# Altium PCB Board.PcbDoc (part 5 of 15) (continued)
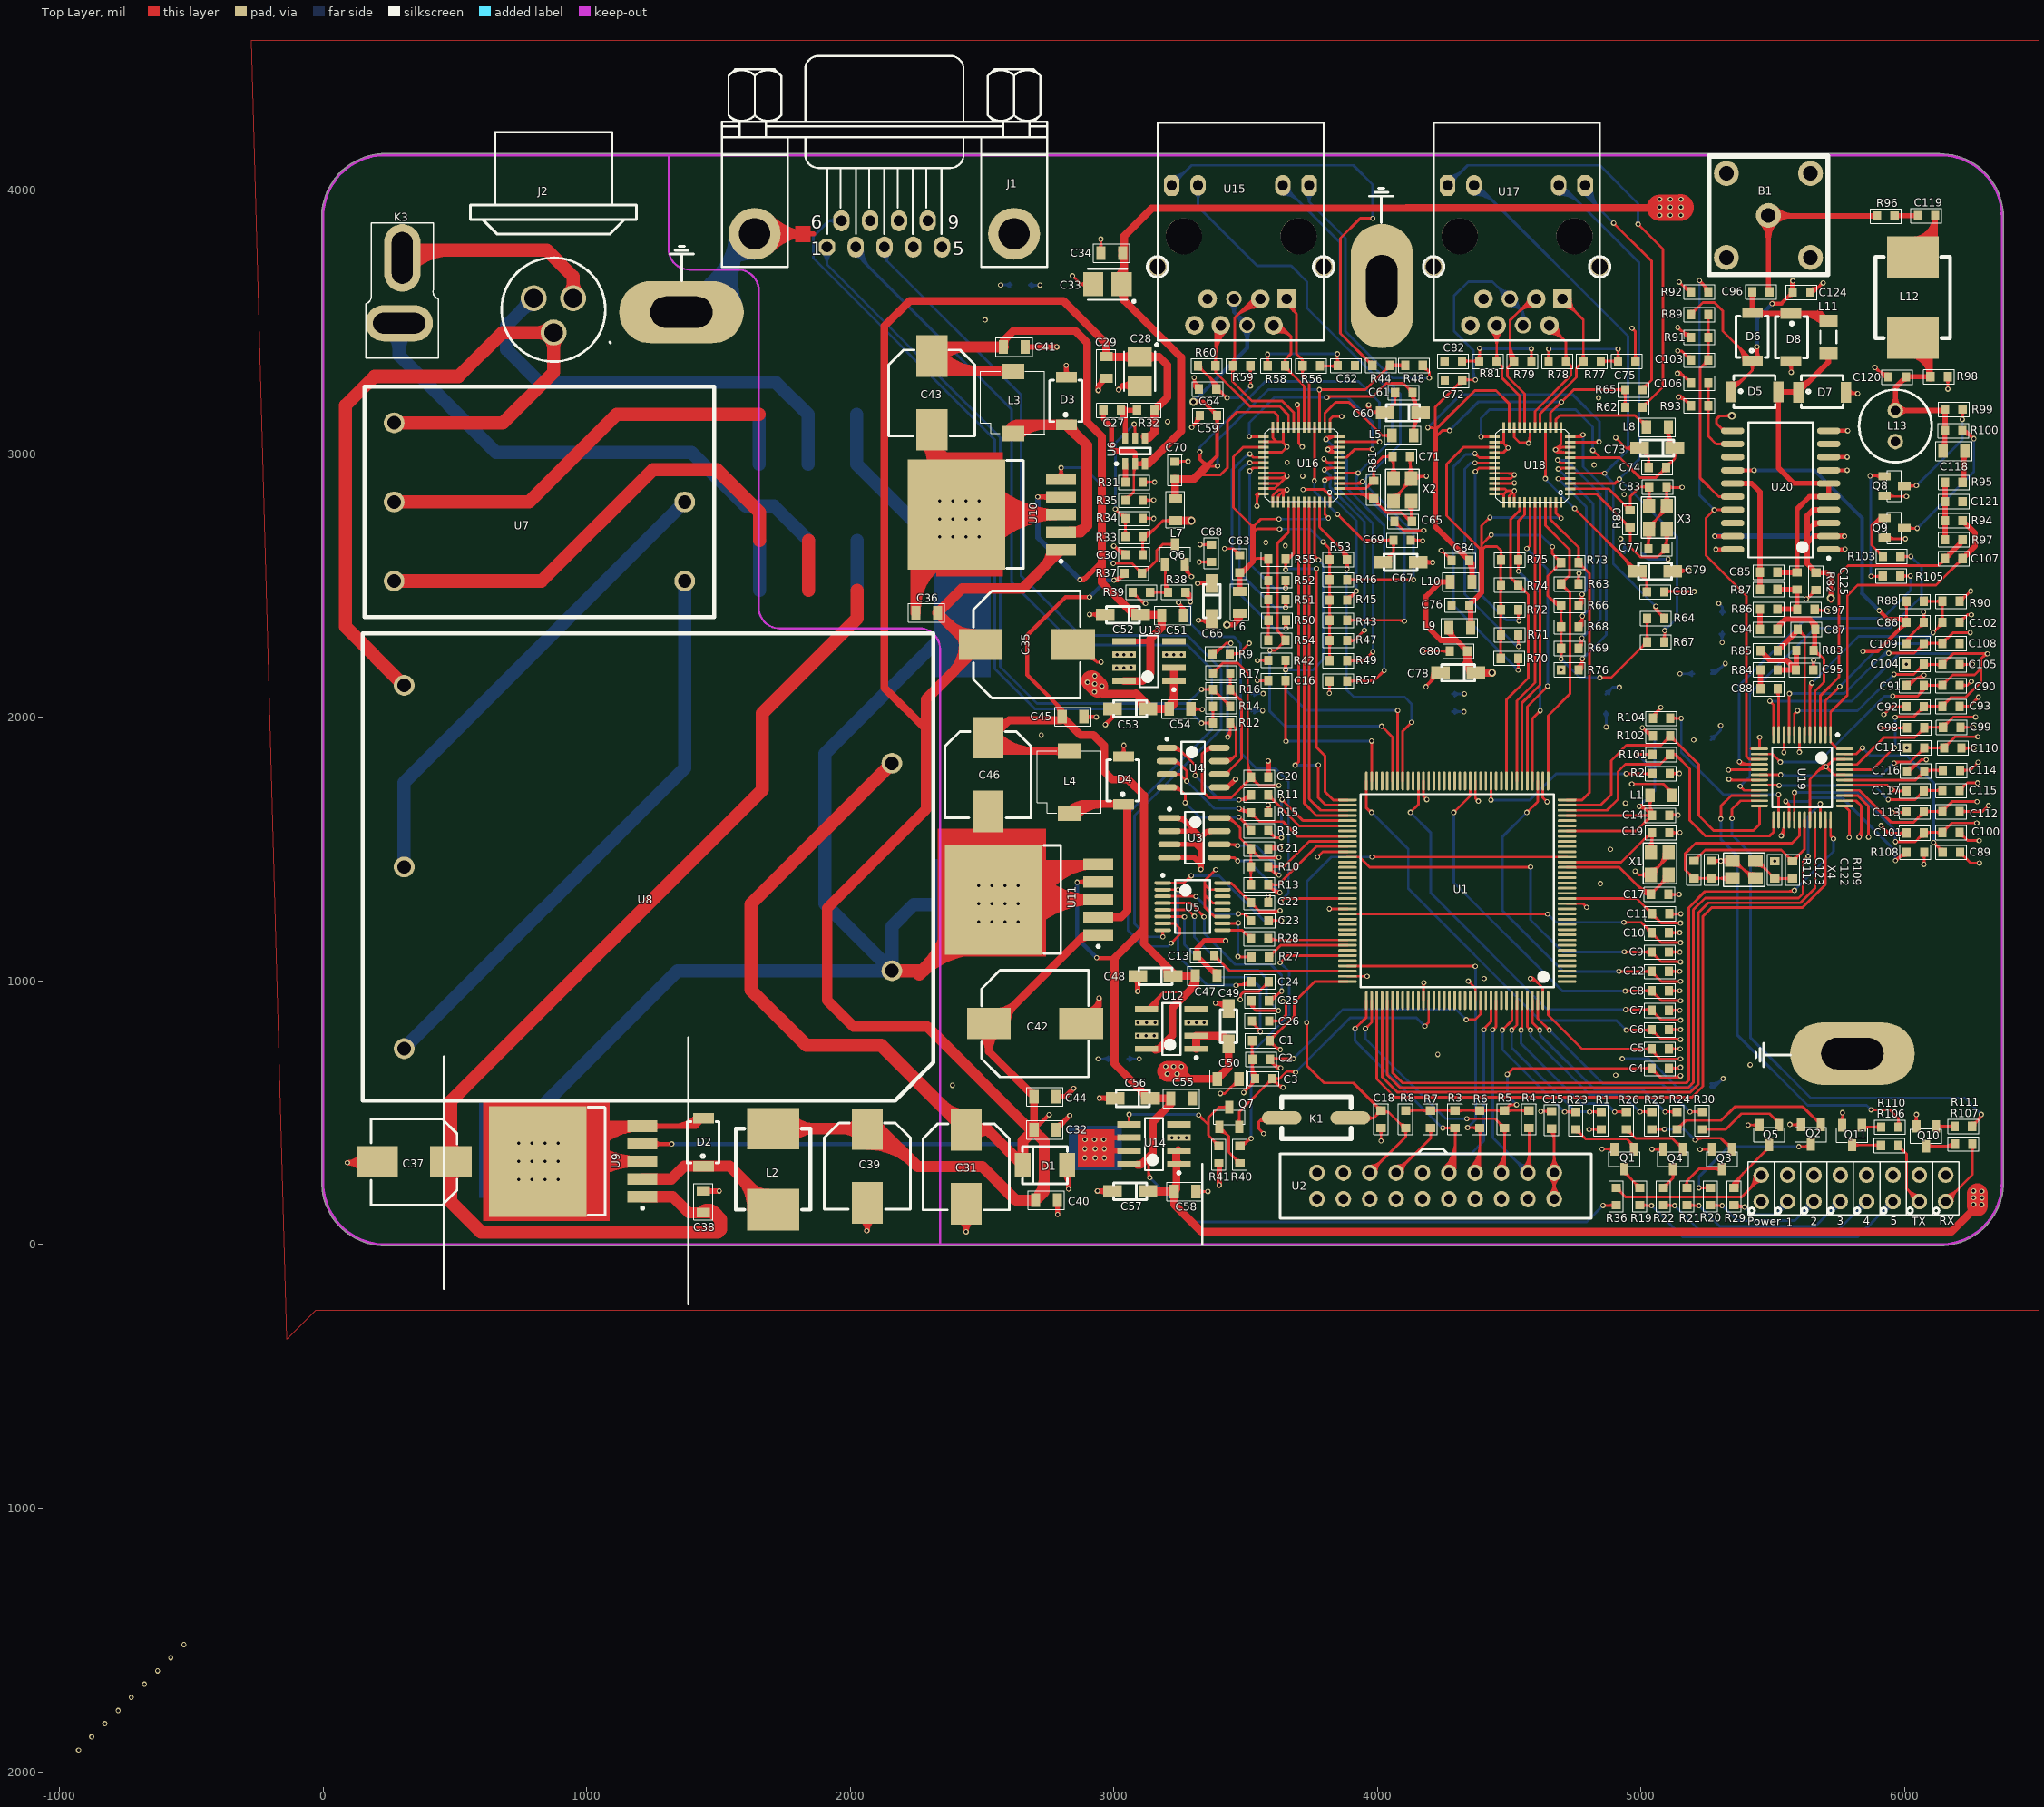
[diagram p0: Top Layer view]
## Nets (pads, with @x,y where several pads share a name; then routed paths per layer and width w, separated by ;. In a path a pad name is that pad's centre, name@x,y a point inside that pad or via, vN(x,y) a via of type N, cw(c..) or ccw(c..) an arc to the next point about the centre after c; other vN are vias at no path point) (continued)
; C9.1@5113.05,1117.47 ccw(c5131.4,1135.82) 5131.4,1109.87 ; C9.1@5113.05,1117.47 ccw(c5131.4,1135.82) 5131.4,1109.87 ; C9.1@5113.05,1117.47 ccw(c5131.4,1135.82) 5131.4,1109.87 ; C10.1@5113.05,1175.84 cw(c5131.4,1157.49) 5131.4,1183.44 ; C10.1@5113.05,1175.84 cw(c5131.4,1157.49) 5131.4,1183.44 ; C10.1@5113.05,1175.84 cw(c5131.4,1157.49) 5131.4,1183.44 ; C10.1@5113.05,1191.04 ccw(c5131.4,1209.39) 5131.4,1183.44 ; C10.1@5113.05,1191.04 ccw(c5131.4,1209.39) 5131.4,1183.44 ; C10.1@5113.05,1191.04 ccw(c5131.4,1209.39) 5131.4,1183.44 ; C11.1@5114.2,1245.88 cw(c5134.88,1225.19) 5134.88,1254.45 ; C11.1@5114.2,1245.88 cw(c5134.88,1225.19) 5134.88,1254.45 ; C11.1@5114.2,1245.88 cw(c5134.88,1225.19) 5134.88,1254.45 ; C11.1@5114.2,1261.08 ccw(c5130.21,1277.09) 5130.21,1254.45 ; C11.1@5114.2,1261.08 ccw(c5130.21,1277.09) 5130.21,1254.45 ; C11.1@5114.2,1261.08 ccw(c5130.21,1277.09) 5130.21,1254.45 ; C14.1@5114.2,1622.82 cw(c5130.21,1606.81) 5130.21,1629.45 ; C14.1@5114.2,1622.82 cw(c5130.21,1606.81) 5130.21,1629.45 ; C14.1@5114.2,1622.82 cw(c5130.21,1606.81) 5130.21,1629.45 ; C14.1@5114.2,1638.02 ccw(c5134.88,1658.7) v1@5134.88,1629.45 ; C14.1@5114.2,1638.02 ccw(c5134.88,1658.7) v1@5134.88,1629.45 ; C14.1@5114.2,1638.02 ccw(c5134.88,1658.7) v1@5134.88,1629.45 ; C19.1@5115.2,1554.85 cw(c5133.55,1536.5) 5133.55,1562.45 ; C19.1@5115.2,1554.85 cw(c5133.55,1536.5) 5133.55,1562.45 ; C19.1@5115.2,1554.85 cw(c5133.55,1536.5) 5133.55,1562.45 ; C19.1@5115.2,1570.05 ccw(c5133.55,1588.4) 5133.55,1562.45 ; C19.1@5115.2,1570.05 ccw(c5133.55,1588.4) 5133.55,1562.45 ; C19.1@5115.2,1570.05 ccw(c5133.55,1588.4) 5133.55,1562.45 ; R2.1@5116.2,1779.85 cw(c5134.55,1761.5) 5134.55,1787.45 ; R2.1@5116.2,1779.85 cw(c5134.55,1761.5) 5134.55,1787.45 ; R2.1@5116.2,1779.85 cw(c5134.55,1761.5) 5134.55,1787.45 ; R2.1@5116.2,1795.05 ccw(c5134.55,1813.4) 5134.55,1787.45 ; R2.1@5116.2,1795.05 ccw(c5134.55,1813.4) 5134.55,1787.45 ; R2.1@5116.2,1795.05 ccw(c5134.55,1813.4) 5134.55,1787.45 ; 5127.87,668.45 ccw(c5127.87,694.18) v1@5146.06,675.98 ; 5127.87,668.45 ccw(c5127.87,694.18) v1@5146.06,675.98 ; 5127.87,668.45 ccw(c5127.87,694.18) v1@5146.06,675.98 ; 5128.53,1629.45 cw(c5128.53,1617.38) v1@5137.06,1625.91 ; 5128.53,1629.45 ccw(c5128.53,1641.52) v1@5137.06,1632.98 ; 5128.53,1629.45 cw(c5128.53,1617.38) v1@5137.06,1625.91 ; 5128.53,1629.45 ccw(c5128.53,1641.52) v1@5137.06,1632.98 ; 5128.53,1629.45 ccw(c5128.53,1641.52) v1@5137.06,1632.98 ; 5128.53,1629.45 cw(c5128.53,1617.38) v1@5137.06,1625.91 ; 5132.53,1328.45 cw(c5132.53,1316.38) v1@5141.06,1324.91 ; 5132.53,1328.45 ccw(c5132.53,1340.52) v1@5141.06,1331.98 ; 5132.53,1328.45 cw(c5132.53,1316.38) v1@5141.06,1324.91 ; 5132.53,1328.45 ccw(c5132.53,1340.52) v1@5141.06,1331.98 ; 5132.53,1328.45 ccw(c5132.53,1340.52) v1@5141.06,1331.98 ; 5132.53,1328.45 cw(c5132.53,1316.38) v1@5141.06,1324.91 ; 5133.53,1787.45 cw(c5133.53,1775.38) v1@5142.06,1783.91 ; 5133.53,1787.45 ccw(c5133.53,1799.52) v1@5142.06,1790.98 ; 5133.53,1787.45 cw(c5133.53,1775.38) v1@5142.06,1783.91 ; 5133.53,1787.45 ccw(c5133.53,1799.52) v1@5142.06,1790.98 ; 5133.53,1787.45 ccw(c5133.53,1799.52) v1@5142.06,1790.98 ; 5133.53,1787.45 cw(c5133.53,1775.38) v1@5142.06,1783.91 ; 5133.81,889.16 cw(c5133.81,874.67) v1@5144.06,884.91 ; 5133.81,889.16 cw(c5133.81,874.67) v1@5144.06,884.91 ; 5133.81,889.16 cw(c5133.81,874.67) v1@5144.06,884.91 ; 5133.85,962.73 cw(c5133.85,949.7) v1@5143.06,958.91 ; 5133.85,962.73 cw(c5133.85,949.7) v1@5143.06,958.91 ; 5133.85,962.73 cw(c5133.85,949.7) v1@5143.06,958.91 ; 5134.16,1036.3 ccw(c5134.16,1048.88) v1@5143.06,1039.98 ; 5134.16,1036.3 ccw(c5134.16,1048.88) v1@5143.06,1039.98 ; 5134.16,1036.3 ccw(c5134.16,1048.88) v1@5143.06,1039.98 ; 5134.52,1109.87 cw(c5134.52,1096.37) v1@5144.06,1105.91 ; 5134.52,1109.87 cw(c5134.52,1096.37) v1@5144.06,1105.91 ; 5134.52,1109.87 cw(c5134.52,1096.37) v1@5144.06,1105.91 ; 5134.5,1183.44 ccw(c5134.5,1195.55) v1@5143.06,1186.98 ; 5134.5,1183.44 ccw(c5134.5,1195.55) v1@5143.06,1186.98 ; 5134.5,1183.44 ccw(c5134.5,1195.55) v1@5143.06,1186.98 ; 5134.55,1183.44 cw(c5134.55,1171.41) v1@5143.06,1179.91 ; 5134.55,1183.44 cw(c5134.55,1171.41) v1@5143.06,1179.91 ; 5134.55,1183.44 cw(c5134.55,1171.41) v1@5143.06,1179.91 ; 5134.89,1036.3 cw(c5134.89,1024.74) v1@5143.06,1032.91 ; 5134.89,1036.3 cw(c5134.89,1024.74) v1@5143.06,1032.91 ; 5134.89,1036.3 cw(c5134.89,1024.74) v1@5143.06,1032.91 ; 5135.2,962.73 ccw(c5135.2,973.85) v1@5143.06,965.98 ; 5135.2,962.73 ccw(c5135.2,973.85) v1@5143.06,965.98 ; 5135.2,962.73 ccw(c5135.2,973.85) v1@5143.06,965.98 ; 5135.49,742.02 ccw(c5135.49,755.56) v1@5145.06,745.98 ; 5135.49,742.02 ccw(c5135.49,755.56) v1@5145.06,745.98 ; 5135.49,742.02 ccw(c5135.49,755.56) v1@5145.06,745.98 ; 5135.53,1562.45 cw(c5135.53,1550.38) v1@5144.06,1558.91 ; 5135.53,1562.45 ccw(c5135.53,1574.52) v1@5144.06,1565.98 ; 5135.53,1562.45 cw(c5135.53,1550.38) v1@5144.06,1558.91 ; 5135.53,1562.45 ccw(c5135.53,1574.52) v1@5144.06,1565.98 ; 5135.53,1562.45 ccw(c5135.53,1574.52) v1@5144.06,1565.98 ; 5135.53,1562.45 cw(c5135.53,1550.38) v1@5144.06,1558.91 ; 5136.54,1109.87 ccw(c5136.54,1120.51) v1@5144.06,1112.98 ; 5136.54,1109.87 ccw(c5136.54,1120.51) v1@5144.06,1112.98 ; 5136.54,1109.87 ccw(c5136.54,1120.51) v1@5144.06,1112.98 ; 5137.19,815.59 cw(c5137.19,803.04) v1@5146.06,811.91 ; 5137.19,815.59 cw(c5137.19,803.04) v1@5146.06,811.91 ; 5137.19,815.59 cw(c5137.19,803.04) v1@5146.06,811.91 ; 5137.24,889.16 ccw(c5137.24,898.81) v1@5144.06,891.98 ; 5137.24,889.16 ccw(c5137.24,898.81) v1@5144.06,891.98 ; 5137.24,889.16 ccw(c5137.24,898.81) v1@5144.06,891.98 ; 5137.57,742.02 cw(c5137.57,731.42) v1@5145.06,738.91 ; 5137.57,742.02 cw(c5137.57,731.42) v1@5145.06,738.91 ; 5137.57,742.02 cw(c5137.57,731.42) v1@5145.06,738.91 ; v1@5137.6,3300.45 cw(c5137.6,3253.25) 5170.97,3286.63 ; v1@5137.6,3300.45 cw(c5137.6,3253.25) 5170.97,3286.63 ; v1@5137.6,3300.45 cw(c5137.6,3253.25) 5170.97,3286.63 ; v1@5137.6,3310.45 cw(c5137.6,3287.39) 5153.9,3303.7 ; v1@5137.6,3310.45 cw(c5137.6,3287.39) 5153.9,3303.7 ; v1@5137.6,3310.45 cw(c5137.6,3287.39) 5153.9,3303.7 ; C79.1@5137.78,2548.73 cw(c5159.38,2529.6) 5159.38,2558.45 ; C79.1@5137.78,2548.73 cw(c5159.38,2529.6) 5159.38,2558.45 ; C79.1@5137.78,2548.73 cw(c5159.38,2529.6) 5159.38,2558.45 ; 5137.86,815.59 ccw(c5137.86,827.18) v1@5146.06,818.98 ; 5137.86,815.59 ccw(c5137.86,827.18) v1@5146.06,818.98 ; 5137.86,815.59 ccw(c5137.86,827.18) v1@5146.06,818.98 ; 5138.53,1254.45 cw(c5138.53,1242.38) v1@5147.06,1250.91 ; 5138.53,1254.45 ccw(c5138.53,1266.52) v1@5147.06,1257.98 ; 5138.53,1254.45 cw(c5138.53,1242.38) v1@5147.06,1250.91 ; 5138.53,1254.45 ccw(c5138.53,1266.52) v1@5147.06,1257.98 ; 5138.53,1254.45 ccw(c5138.53,1266.52) v1@5147.06,1257.98 ; 5138.53,1254.45 cw(c5138.53,1242.38) v1@5147.06,1250.91 ; v1@5138.6,3474.45 cw(c5138.6,3462.38) 5147.13,3470.91 ; v1@5138.6,3474.45 cw(c5138.6,3462.38) 5147.13,3470.91 ; v1@5138.6,3474.45 cw(c5138.6,3462.38) 5147.13,3470.91 ; v1@5141.13,3301.91 cw(c5149.67,3293.38) 5149.67,3305.45 ; v1@5141.13,3301.91 cw(c5149.67,3293.38) 5149.67,3305.45 ; v1@5141.13,3301.91 cw(c5149.67,3293.38) 5149.67,3305.45 ; v1@5141.13,3308.98 ccw(c5149.67,3317.52) 5149.67,3305.45 ; v1@5141.13,3308.98 ccw(c5149.67,3317.52) 5149.67,3305.45 ; v1@5141.13,3308.98 ccw(c5149.67,3317.52) 5149.67,3305.45 ; v1@5141.6,3210.45 cw(c5141.6,3164.22) R93.1@5174.29,3196.91 ; v1@5141.6,3210.45 cw(c5141.6,3164.22) R93.1@5174.29,3196.91 ; v1@5141.6,3210.45 cw(c5141.6,3164.22) R93.1@5174.29,3196.91 ; v1@5141.6,3220.45 cw(c5141.6,3198.36) 5157.22,3213.98 ; v1@5141.6,3220.45 cw(c5141.6,3198.36) 5157.22,3213.98 ; v1@5141.6,3220.45 cw(c5141.6,3198.36) 5157.22,3213.98 ; v1@5142.13,3386.91 cw(c5150.67,3378.38) 5150.67,3390.45 ; v1@5142.13,3386.91 cw(c5150.67,3378.38) 5150.67,3390.45 ; v1@5142.13,3386.91 cw(c5150.67,3378.38) 5150.67,3390.45 ; v1@5142.13,3393.98 ccw(c5150.67,3402.52) 5150.67,3390.45 ; v1@5142.13,3393.98 ccw(c5150.67,3402.52) 5150.67,3390.45 ; v1@5142.13,3393.98 ccw(c5150.67,3402.52) 5150.67,3390.45 ; 5143.53,2872.45 cw(c5143.53,2860.38) v1@5152.06,2868.91 ; 5143.53,2872.45 ccw(c5143.53,2884.52) v1@5152.06,2875.98 ; 5143.53,2872.45 cw(c5143.53,2860.38) v1@5152.06,2868.91 ; 5143.53,2872.45 ccw(c5143.53,2884.52) v1@5152.06,2875.98 ; 5143.53,2872.45 ccw(c5143.53,2884.52) v1@5152.06,2875.98 ; 5143.53,2872.45 cw(c5143.53,2860.38) v1@5152.06,2868.91 ; v1@5143.6,3479.45 ccw(c5155.67,3479.45) 5147.13,3470.91 ; v1@5143.6,3479.45 ccw(c5155.67,3479.45) 5147.13,3470.91 ; v1@5143.6,3479.45 ccw(c5155.67,3479.45) 5147.13,3470.91 ; C79.1@5144.5,2567.62 ccw(c5166.63,2589.75) 5166.63,2558.45 ; C79.1@5144.5,2567.62 ccw(c5166.63,2589.75) 5166.63,2558.45 ; C79.1@5144.5,2567.62 ccw(c5166.63,2589.75) 5166.63,2558.45 ; v1@5144.6,3646.45 cw(c5144.6,3634.38) 5153.13,3642.91 ; v1@5144.6,3646.45 cw(c5144.6,3634.38) 5153.13,3642.91 ; v1@5144.6,3646.45 cw(c5144.6,3634.38) 5153.13,3642.91 ; v1@5145.13,3211.91 cw(c5153.67,3203.38) 5153.67,3215.45 ; v1@5145.13,3211.91 cw(c5153.67,3203.38) 5153.67,3215.45 ; v1@5145.13,3211.91 cw(c5153.67,3203.38) 5153.67,3215.45 ; v1@5145.13,3218.98 ccw(c5153.67,3227.52) 5153.67,3215.45 ; v1@5145.13,3218.98 ccw(c5153.67,3227.52) 5153.67,3215.45 ; v1@5145.13,3218.98 ccw(c5153.67,3227.52) 5153.67,3215.45 ; C79.1@5145.27,2542.1 cw(c5181.6,2509.92) v1(5181.6,2558.45) ; C79.1@5145.27,2542.1 cw(c5181.6,2509.92) v1(5181.6,2558.45) ; C79.1@5145.27,2542.1 cw(c5181.6,2509.92) v1(5181.6,2558.45) ; 5145.96,3472.09 ccw(c5188.75,3514.88) R91.1@5188.75,3454.37 ; 5145.96,3472.09 ccw(c5188.75,3514.88) R91.1@5188.75,3454.37 ; 5145.96,3472.09 ccw(c5188.75,3514.88) R91.1@5188.75,3454.37 ; v1@5149.6,3651.45 ccw(c5161.67,3651.45) 5153.13,3642.91 ; v1@5149.6,3651.45 ccw(c5161.67,3651.45) 5153.13,3642.91 ; v1@5149.6,3651.45 ccw(c5161.67,3651.45) 5153.13,3642.91 ; 5154.83,3641.21 ccw(c5188.75,3675.13) R92.1@5188.75,3627.17 ; 5154.83,3641.21 ccw(c5188.75,3675.13) R92.1@5188.75,3627.17 ; 5154.83,3641.21 ccw(c5188.75,3675.13) R92.1@5188.75,3627.17 ; 5163.03,3455.02 ccw(c5188.75,3480.74) R91.1@5188.75,3444.37 ; 5163.03,3455.02 ccw(c5188.75,3480.74) R91.1@5188.75,3444.37 ; 5163.03,3455.02 ccw(c5188.75,3480.74) R91.1@5188.75,3444.37 ; 5166.89,3377.52 ccw(c5188.6,3399.22) C103.2@5188.6,3368.52 ; 5166.89,3377.52 ccw(c5188.6,3399.22) C103.2@5188.6,3368.52 ; 5166.89,3377.52 ccw(c5188.6,3399.22) C103.2@5188.6,3368.52 ; 5167.04,3204.16 ccw(c5188.75,3225.87) R93.1@5188.75,3195.17 ; 5167.04,3204.16 ccw(c5188.75,3225.87) R93.1@5188.75,3195.17 ; 5167.04,3204.16 ccw(c5188.75,3225.87) R93.1@5188.75,3195.17 ; 5167.04,3290.56 ccw(c5188.75,3312.27) C106.1@5188.75,3281.57 ; 5167.04,3290.56 ccw(c5188.75,3312.27) C106.1@5188.75,3281.57 ; 5167.04,3290.56 ccw(c5188.75,3312.27) C106.1@5188.75,3281.57 ; 5169.53,2558.45 cw(c5169.53,2546.38) v1@5178.06,2554.91 ; 5169.53,2558.45 ccw(c5169.53,2570.52) v1@5178.06,2561.98 ; 5169.53,2558.45 cw(c5169.53,2546.38) v1@5178.06,2554.91 ; 5169.53,2558.45 ccw(c5169.53,2570.52) v1@5178.06,2561.98 ; 5169.53,2558.45 ccw(c5169.53,2570.52) v1@5178.06,2561.98 ; 5169.53,2558.45 cw(c5169.53,2546.38) v1@5178.06,2554.91 ; 5171.64,3372.76 cw(c5156.65,3357.78) C103.2@5177.85,3357.78 ; 5171.64,3372.76 cw(c5156.65,3357.78) C103.2@5177.85,3357.78 ; 5171.64,3372.76 cw(c5156.65,3357.78) C103.2@5177.85,3357.78 ; 5171.79,3199.4 cw(c5156.8,3184.42) R93.1@5178,3184.42 ; 5171.79,3199.4 cw(c5156.8,3184.42) R93.1@5178,3184.42 ; 5171.79,3199.4 cw(c5156.8,3184.42) R93.1@5178,3184.42 ; 5171.79,3285.8 cw(c5156.8,3270.82) C106.1@5178,3270.82 ; 5171.79,3285.8 cw(c5156.8,3270.82) C106.1@5178,3270.82 ; 5171.79,3285.8 cw(c5156.8,3270.82) C106.1@5178,3270.82 ; 5171.91,3624.14 ccw(c5188.75,3640.98) R92.1@5188.75,3617.17 ; 5171.91,3624.14 ccw(c5188.75,3640.98) R92.1@5188.75,3617.17 ; 5171.91,3624.14 ccw(c5188.75,3640.98) R92.1@5188.75,3617.17 ; 5189.53,2477.45 cw(c5189.53,2465.38) v1@5198.06,2473.91 ; 5189.53,2477.45 ccw(c5189.53,2489.52) v1@5198.06,2480.98 ; 5189.53,2477.45 cw(c5189.53,2465.38) v1@5198.06,2473.91 ; 5189.53,2477.45 ccw(c5189.53,2489.52) v1@5198.06,2480.98 ; 5189.53,2477.45 ccw(c5189.53,2489.52) v1@5198.06,2480.98 ; 5189.53,2477.45 cw(c5189.53,2465.38) v1@5198.06,2473.91 ; v1@5227.13,356.91 cw(c5235.67,348.38) 5235.67,360.45 ; v1@5227.13,356.91 cw(c5235.67,348.38) 5235.67,360.45 ; v1@5227.13,356.91 cw(c5235.67,348.38) 5235.67,360.45 ; v1@5227.13,363.98 ccw(c5235.67,372.52) 5235.67,360.45 ; v1@5227.13,363.98 ccw(c5235.67,372.52) 5235.67,360.45 ; v1@5227.13,363.98 ccw(c5235.67,372.52) 5235.67,360.45 ; 5241.43,360.45 ccw(c5241.43,389.81) Q3.1@5262.2,369.05 ; 5241.43,360.45 ccw(c5241.43,389.81) Q3.1@5262.2,369.05 ; 5241.43,360.45 ccw(c5241.43,389.81) Q3.1@5262.2,369.05 ; 5246.26,360.45 cw(c5246.26,337.91) Q3.1@5262.2,353.85 ; 5246.26,360.45 cw(c5246.26,337.91) Q3.1@5262.2,353.85 ; 5246.26,360.45 cw(c5246.26,337.91) Q3.1@5262.2,353.85 ; C123.2@5278.17,1447.85 cw(c5296.51,1429.5) v1@5296.51,1455.45 ; C123.2@5278.17,1447.85 cw(c5296.51,1429.5) v1@5296.51,1455.45 ; C123.2@5278.17,1447.85 cw(c5296.51,1429.5) v1@5296.51,1455.45 ; C123.2@5278.17,1463.05 ccw(c5296.51,1481.4) v1@5296.51,1455.45 ; C123.2@5278.17,1463.05 ccw(c5296.51,1481.4) v1@5296.51,1455.45 ; C123.2@5278.17,1463.05 ccw(c5296.51,1481.4) v1@5296.51,1455.45 ; 5290.53,1455.45 cw(c5290.53,1443.38) v1@5299.06,1451.91 ; 5290.53,1455.45 ccw(c5290.53,1467.52) v1@5299.06,1458.98 ; 5290.53,1455.45 cw(c5290.53,1443.38) v1@5299.06,1451.91 ; 5290.53,1455.45 ccw(c5290.53,1467.52) v1@5299.06,1458.98 ; 5290.53,1455.45 ccw(c5290.53,1467.52) v1@5299.06,1458.98 ; 5290.53,1455.45 cw(c5290.53,1443.38) v1@5299.06,1451.91 ; 5301.02,3100.03 ccw(c5314.94,3113.95) U20.1@5314.94,3094.26 ; 5301.02,3100.03 ccw(c5314.94,3113.95) U20.1@5314.94,3094.26 ; 5301.02,3100.03 ccw(c5314.94,3113.95) U20.1@5314.94,3094.26 ; v1(5302.6,1455.45) cw(c5302.6,1419.87) X4.4@5328.9,1443.83 ; v1(5302.6,1455.45) ccw(c5302.6,1487.65) X4.4@5327.98,1467.84 ; v1(5302.6,1455.45) cw(c5302.6,1419.87) X4.4@5328.9,1443.83 ; v1(5302.6,1455.45) ccw(c5302.6,1487.65) X4.4@5327.98,1467.84 ; v1(5302.6,1455.45) ccw(c5302.6,1487.65) X4.4@5327.98,1467.84 ; v1(5302.6,1455.45) cw(c5302.6,1419.87) X4.4@5328.9,1443.83 ; 5304.27,3096.78 cw(c5294.94,3087.45) U20.1@5308.13,3087.45 ; 5304.27,3096.78 cw(c5294.94,3087.45) U20.1@5308.13,3087.45 ; 5304.27,3096.78 cw(c5294.94,3087.45) U20.1@5308.13,3087.45 ; v1@5306.13,1451.91 cw(c5314.67,1443.38) 5314.67,1455.45 ; v1@5306.13,1451.91 cw(c5314.67,1443.38) 5314.67,1455.45 ; v1@5306.13,1451.91 cw(c5314.67,1443.38) 5314.67,1455.45 ; v1@5306.13,1458.98 ccw(c5314.67,1467.52) 5314.67,1455.45 ; v1@5306.13,1458.98 ccw(c5314.67,1467.52) 5314.67,1455.45 ; v1@5306.13,1458.98 ccw(c5314.67,1467.52) 5314.67,1455.45 ; 5320.46,3144.45 cw(c5320.46,3120.31) v2@5337.53,3137.38 ; 5320.46,3144.45 ccw(c5320.46,3168.59) v2@5337.53,3151.52 ; 5320.46,3144.45 cw(c5320.46,3120.31) v2@5337.53,3137.38 ; 5320.46,3144.45 ccw(c5320.46,3168.59) v2@5337.53,3151.52 ; 5320.46,3144.45 ccw(c5320.46,3168.59) v2@5337.53,3151.52 ; 5320.46,3144.45 cw(c5320.46,3120.31) v2@5337.53,3137.38 ; v1@5335.13,1796.91 cw(c5347.36,1784.69) 5347.36,1801.98 ; v1@5335.13,1796.91 cw(c5347.36,1784.69) 5347.36,1801.98 ; v1@5335.13,1796.91 cw(c5347.36,1784.69) 5347.36,1801.98 ; v1@5336.13,1768.98 ccw(c5351.53,1784.38) 5351.53,1762.61 ; v1@5336.13,1768.98 ccw(c5351.53,1784.38) 5351.53,1762.61 ; v1@5336.13,1768.98 ccw(c5351.53,1784.38) 5351.53,1762.61 ; X4.4@5350.54,1437.76 cw(c5350.54,1380.4) 5391.09,1420.96 ; X4.4@5350.54,1437.76 cw(c5350.54,1380.4) 5391.09,1420.96 ; X4.4@5350.54,1437.76 cw(c5350.54,1380.4) 5391.09,1420.96 ; X4.4@5350.54,1447.76 cw(c5350.54,1414.55) X4.4@5374.02,1438.03 ; X4.4@5350.54,1447.76 cw(c5350.54,1414.55) X4.4@5374.02,1438.03 ; X4.4@5350.54,1447.76 cw(c5350.54,1414.55) X4.4@5374.02,1438.03 ; X4.4@5369.16,1456.38 ccw(c5401.72,1456.38) 5378.69,1433.35 ; X4.4@5369.16,1456.38 ccw(c5401.72,1456.38) 5378.69,1433.35 ; X4.4@5369.16,1456.38 ccw(c5401.72,1456.38) 5378.69,1433.35 ; 5386.09,1425.96 ccw(c5429.28,1469.15) X4.2@5429.28,1408.07 ; 5386.09,1425.96 ccw(c5429.28,1469.15) X4.2@5429.28,1408.07 ; 5386.09,1425.96 ccw(c5429.28,1469.15) X4.2@5429.28,1408.07 ; 5402.21,1409.84 cw(c5381.82,1389.45) X4.2@5410.65,1389.45 ; 5402.21,1409.84 cw(c5381.82,1389.45) X4.2@5410.65,1389.45 ; 5402.21,1409.84 cw(c5381.82,1389.45) X4.2@5410.65,1389.45 ; 5403.16,1408.89 ccw(c5429.28,1435.01) X4.2@5429.28,1398.07 ; 5403.16,1408.89 ccw(c5429.28,1435.01) X4.2@5429.28,1398.07 ; 5403.16,1408.89 ccw(c5429.28,1435.01) X4.2@5429.28,1398.07 ; v1@5409.13,449.91 cw(c5417.67,441.38) 5417.67,453.45 ; v1@5409.13,449.91 cw(c5417.67,441.38) 5417.67,453.45 ; v1@5409.13,449.91 cw(c5417.67,441.38) 5417.67,453.45 ; v1@5409.13,456.98 ccw(c5417.67,465.52) 5417.67,453.45 ; v1@5409.13,456.98 ccw(c5417.67,465.52) 5417.67,453.45 ; v1@5409.13,456.98 ccw(c5417.67,465.52) 5417.67,453.45 ; 5422.85,453.45 cw(c5422.85,427.5) Q5.1@5441.2,445.85 ; 5422.85,453.45 ccw(c5422.85,479.4) Q5.1@5441.2,461.05 ; 5422.85,453.45 cw(c5422.85,427.5) Q5.1@5441.2,445.85 ; 5422.85,453.45 ccw(c5422.85,479.4) Q5.1@5441.2,461.05 ; 5422.85,453.45 ccw(c5422.85,479.4) Q5.1@5441.2,461.05 ; 5422.85,453.45 cw(c5422.85,427.5) Q5.1@5441.2,445.85 ; v1@5446.06,1920.91 cw(c5438.53,1913.39) 5449.18,1913.39 ; v1@5446.06,1920.91 cw(c5438.53,1913.39) 5449.18,1913.39 ; v1@5446.06,1920.91 cw(c5438.53,1913.39) 5449.18,1913.39 ; 5449.18,1911.37 cw(c5462.68,1911.37) v1@5453.13,1920.91 ; 5449.18,1911.37 cw(c5462.68,1911.37) v1@5453.13,1920.91 ; 5449.18,1911.37 cw(c5462.68,1911.37) v1@5453.13,1920.91 ; v1@5538.06,1870.98 ccw(c5529.28,1879.77) 5541.7,1879.77 ; v1@5538.06,1870.98 ccw(c5529.28,1879.77) 5541.7,1879.77 ; v1@5538.06,1870.98 ccw(c5529.28,1879.77) 5541.7,1879.77 ; 5541.7,1879.27 ccw(c5553.42,1879.27) v1@5545.13,1870.98 ; 5541.7,1879.27 ccw(c5553.42,1879.27) v1@5545.13,1870.98 ; 5541.7,1879.27 ccw(c5553.42,1879.27) v1@5545.13,1870.98 ; D8.1@5558.21,3341.06 cw(c5530.73,3313.58) v1@5569.6,3313.58 ; D8.1@5558.21,3341.06 cw(c5530.73,3313.58) v1@5569.6,3313.58 ; D8.1@5558.21,3341.06 cw(c5530.73,3313.58) v1@5569.6,3313.58 ; v1@5566.06,3312.98 ccw(c5557.53,3321.52) 5569.6,3321.52 ; v1@5566.06,3312.98 ccw(c5557.53,3321.52) 5569.6,3321.52 ; v1@5566.06,3312.98 ccw(c5557.53,3321.52) 5569.6,3321.52 ; v1@5568.13,458.98 ccw(c5579.08,469.93) 5579.08,454.45 ; v1@5568.13,458.98 ccw(c5579.08,469.93) 5579.08,454.45 ; v1@5568.13,458.98 ccw(c5579.08,469.93) 5579.08,454.45 ; v1@5569.6,3318.41 cw(c5601.64,3318.41) D8.1@5578.98,3341.06 ; v1@5569.6,3318.41 cw(c5601.64,3318.41) D8.1@5578.98,3341.06 ; v1@5569.6,3318.41 cw(c5601.64,3318.41) D8.1@5578.98,3341.06 ; 5569.6,3321.52 ccw(c5581.67,3321.52) v1@5573.13,3312.98 ; 5569.6,3321.52 ccw(c5581.67,3321.52) v1@5573.13,3312.98 ; 5569.6,3321.52 ccw(c5581.67,3321.52) v1@5573.13,3312.98 ; 5580.85,454.45 cw(c5580.85,428.5) Q2.1@5599.2,446.85 ; 5580.85,454.45 ccw(c5580.85,480.4) Q2.1@5599.2,462.05 ; 5580.85,454.45 cw(c5580.85,428.5) Q2.1@5599.2,446.85 ; 5580.85,454.45 ccw(c5580.85,480.4) Q2.1@5599.2,462.05 ; 5580.85,454.45 ccw(c5580.85,480.4) Q2.1@5599.2,462.05 ; 5580.85,454.45 cw(c5580.85,428.5) Q2.1@5599.2,446.85 ; v1@5597.06,1871.98 ccw(c5588.15,1880.9) 5600.76,1880.9 ; v1@5597.06,1871.98 ccw(c5588.15,1880.9) 5600.76,1880.9 ; v1@5597.06,1871.98 ccw(c5588.15,1880.9) 5600.76,1880.9 ; 5600.76,1880.14 ccw(c5612.29,1880.14) v1@5604.13,1871.98 ; 5600.76,1880.14 ccw(c5612.29,1880.14) v1@5604.13,1871.98 ; 5600.76,1880.14 ccw(c5612.29,1880.14) v1@5604.13,1871.98 ; v1@5626.6,2454.45 ccw(c5626.6,2473.76) 5640.26,2460.11 ; v1@5626.6,2454.45 ccw(c5626.6,2473.76) 5640.26,2460.11 ; v1@5626.6,2454.45 ccw(c5626.6,2473.76) 5640.26,2460.11 ; C124.1@5641.6,3616.17 ccw(c5641.6,3656.52) 5670.14,3627.99 ; C124.1@5641.6,3616.17 ccw(c5641.6,3656.52) 5670.14,3627.99 ; C124.1@5641.6,3616.17 ccw(c5641.6,3656.52) 5670.14,3627.99 ; C124.1@5641.6,3626.17 ccw(c5641.6,3690.66) v1@5687.21,3645.06 ; C124.1@5641.6,3626.17 ccw(c5641.6,3690.66) v1@5687.21,3645.06 ; C124.1@5641.6,3626.17 ccw(c5641.6,3690.66) v1@5687.21,3645.06 ; 5641.89,2461.74 ccw(c5620.18,2483.45) C125.1@5650.88,2483.45 ; 5641.89,2461.74 ccw(c5620.18,2483.45) C125.1@5650.88,2483.45 ; 5641.89,2461.74 ccw(c5620.18,2483.45) C125.1@5650.88,2483.45 ; C95.1@5646,2190.02 ccw(c5625.24,2210.78) v1@5654.6,2210.78 ; C95.1@5646,2190.02 ccw(c5625.24,2210.78) v1@5654.6,2210.78 ; C95.1@5646,2190.02 ccw(c5625.24,2210.78) v1@5654.6,2210.78 ; 5646.64,2466.49 cw(c5661.63,2451.51) C125.1@5661.63,2472.7 ; 5646.64,2466.49 cw(c5661.63,2451.51) C125.1@5661.63,2472.7 ; 5646.64,2466.49 cw(c5661.63,2451.51) C125.1@5661.63,2472.7 ; v1@5651.06,2213.91 cw(c5642.53,2205.38) 5654.6,2205.38 ; v1@5651.06,2213.91 cw(c5642.53,2205.38) 5654.6,2205.38 ; v1@5651.06,2213.91 cw(c5642.53,2205.38) 5654.6,2205.38 ; 5654.6,2205.38 cw(c5666.67,2205.38) v1@5658.13,2213.91 ; 5654.6,2205.38 cw(c5666.67,2205.38) v1@5658.13,2213.91 ; 5654.6,2205.38 cw(c5666.67,2205.38) v1@5658.13,2213.91 ; 5654.6,2205.95 ccw(c5677.13,2205.95) C95.1@5661.2,2190.02 ; 5654.6,2205.95 ccw(c5677.13,2205.95) C95.1@5661.2,2190.02 ; 5654.6,2205.95 ccw(c5677.13,2205.95) C95.1@5661.2,2190.02 ; C97.2@5666.2,2399.88 cw(c5679.64,2386.44) 5679.64,2405.45 ; C97.2@5666.2,2399.88 cw(c5679.64,2386.44) 5679.64,2405.45 ; C97.2@5666.2,2399.88 cw(c5679.64,2386.44) 5679.64,2405.45 ; C97.2@5666.2,2415.08 ccw(c5689.45,2438.33) 5689.45,2405.45 ; C97.2@5666.2,2415.08 ccw(c5689.45,2438.33) 5689.45,2405.45 ; C97.2@5666.2,2415.08 ccw(c5689.45,2438.33) 5689.45,2405.45 ; 5682.06,3639.91 cw(c5690.6,3631.38) v1@5690.6,3643.45 ; 5682.06,3639.91 ccw(c5673.53,3648.45) v1@5685.6,3648.45 ; 5682.06,3639.91 cw(c5690.6,3631.38) v1@5690.6,3643.45 ; 5682.06,3639.91 ccw(c5673.53,3648.45) v1@5685.6,3648.45 ; 5682.06,3639.91 ccw(c5673.53,3648.45) v1@5685.6,3648.45 ; 5682.06,3639.91 cw(c5690.6,3631.38) v1@5690.6,3643.45 ; 5689.53,1812.45 cw(c5689.53,1800.38) 5698.06,1808.91 ccw(c5689.53,1800.38) 5689.53,1812.45 ; 5689.53,1812.45 ccw(c5689.53,1824.52) 5698.06,1815.98 cw(c5689.53,1824.52) 5689.53,1812.45 ; 5693.53,2405.45 cw(c5693.53,2393.38) v1@5702.06,2401.91 ; 5693.53,2405.45 ccw(c5693.53,2417.52) v1@5702.06,2408.98 ; 5693.53,2405.45 cw(c5693.53,2393.38) v1@5702.06,2401.91 ; 5693.53,2405.45 ccw(c5693.53,2417.52) v1@5702.06,2408.98 ; 5693.53,2405.45 ccw(c5693.53,2417.52) v1@5702.06,2408.98 ; 5693.53,2405.45 cw(c5693.53,2393.38) v1@5702.06,2401.91 ; v1@5701.6,1807.45 cw(c5701.6,1795.38) 5710.13,1803.91 ; v1@5701.6,1807.45 ccw(c5701.6,1760.62) 5668.49,1793.73 cw(c5701.6,1760.62) v1@5701.6,1807.45 ; v1@5701.6,1807.45 cw(c5701.6,1795.38) 5710.13,1803.91 ; v1@5701.6,1807.45 cw(c5701.6,1795.38) 5710.13,1803.91 ; v1@5701.6,1817.45 ccw(c5701.6,1829.52) 5710.13,1820.98 ; v1@5701.6,1817.45 ccw(c5701.6,1794.76) 5685.56,1810.8 cw(c5701.6,1794.76) v1@5701.6,1817.45 ; v1@5701.6,1817.45 ccw(c5701.6,1829.52) 5710.13,1820.98 ; v1@5701.6,1817.45 ccw(c5701.6,1829.52) 5710.13,1820.98 ; v1@5706.6,1812.45 ccw(c5718.67,1812.45) 5710.13,1803.91 ; v1@5706.6,1812.45 cw(c5718.67,1812.45) 5710.13,1820.98 ; v1@5706.6,1812.45 ccw(c5718.67,1812.45) 5710.13,1803.91 ; v1@5706.6,1812.45 cw(c5718.67,1812.45) 5710.13,1820.98 ; v1@5706.6,1812.45 ccw(c5718.67,1812.45) 5710.13,1803.91 ; v1@5706.6,1812.45 cw(c5718.67,1812.45) 5710.13,1820.98 ; Q11.1@5755.2,467.92 ccw(c5734.91,488.21) 5763.6,488.21 ; Q11.1@5755.2,467.92 ccw(c5734.91,488.21) 5763.6,488.21 ; Q11.1@5755.2,467.92 ccw(c5734.91,488.21) 5763.6,488.21 ; v1@5760.06,496.91 cw(c5751.53,488.38) 5763.6,488.38 ; v1@5760.06,496.91 cw(c5751.53,488.38) 5763.6,488.38 ; v1@5760.06,496.91 cw(c5751.53,488.38) 5763.6,488.38 ; 5763.6,484.33 ccw(c5786.8,484.33) Q11.1@5770.4,467.92 ; 5763.6,484.33 ccw(c5786.8,484.33) Q11.1@5770.4,467.92 ; 5763.6,484.33 ccw(c5786.8,484.33) Q11.1@5770.4,467.92 ; 5763.6,488.38 cw(c5775.67,488.38) v1@5767.13,496.91 ; 5763.6,488.38 cw(c5775.67,488.38) v1@5767.13,496.91 ; 5763.6,488.38 cw(c5775.67,488.38) v1@5767.13,496.91 ; D7.1@5781.09,3236.57 ccw(c5799.25,3252.8) 5799.25,3228.45 ; D7.1@5781.09,3236.57 ccw(c5799.25,3252.8) 5799.25,3228.45 ; D7.1@5781.09,3236.57 ccw(c5799.25,3252.8) 5799.25,3228.45 ; v1@5786.06,1547.98 ccw(c5777.53,1556.52) 5789.6,1556.52 ; v1@5786.06,1547.98 ccw(c5777.53,1556.52) 5789.6,1556.52 ; v1@5786.06,1547.98 ccw(c5777.53,1556.52) 5789.6,1556.52 ; D7.1@5787.98,3223.06 cw(c5800.98,3210.07) 5800.98,3228.45 ; D7.1@5787.98,3223.06 cw(c5800.98,3210.07) 5800.98,3228.45 ; D7.1@5787.98,3223.06 cw(c5800.98,3210.07) 5800.98,3228.45 ; D7.1@5788.55,3243.24 ccw(c5821.6,3272.78) v1(5821.6,3228.45) ; D7.1@5788.55,3243.24 ccw(c5821.6,3272.78) v1(5821.6,3228.45) ; D7.1@5788.55,3243.24 ccw(c5821.6,3272.78) v1(5821.6,3228.45) ; 5789.6,1556.52 ccw(c5801.67,1556.52) v1@5793.13,1547.98 ; 5789.6,1556.52 ccw(c5801.67,1556.52) v1@5793.13,1547.98 ; 5789.6,1556.52 ccw(c5801.67,1556.52) v1@5793.13,1547.98 ; 5809.53,3228.45 cw(c5809.53,3216.38) v1@5818.06,3224.91 ; 5809.53,3228.45 ccw(c5809.53,3240.52) v1@5818.06,3231.98 ; 5809.53,3228.45 cw(c5809.53,3216.38) v1@5818.06,3224.91 ; 5809.53,3228.45 ccw(c5809.53,3240.52) v1@5818.06,3231.98 ; 5809.53,3228.45 ccw(c5809.53,3240.52) v1@5818.06,3231.98 ; 5809.53,3228.45 cw(c5809.53,3216.38) v1@5818.06,3224.91 ; v1@5823.06,1548.98 ccw(c5795.21,1576.83) 5834.6,1576.83 ; v1@5823.06,1548.98 ccw(c5795.21,1576.83) 5834.6,1576.83 ; v1@5823.06,1548.98 ccw(c5795.21,1576.83) 5834.6,1576.83 ; v1@5830.13,1541.91 ccw(c5819.36,1552.69) 5834.6,1552.69 ; v1@5830.13,1541.91 ccw(c5819.36,1552.69) 5834.6,1552.69 ; v1@5830.13,1541.91 ccw(c5819.36,1552.69) 5834.6,1552.69 ; v1@5859.06,1548.98 ccw(c5850.53,1557.52) 5862.6,1557.52 ; v1@5859.06,1548.98 ccw(c5850.53,1557.52) 5862.6,1557.52 ; v1@5859.06,1548.98 ccw(c5850.53,1557.52) 5862.6,1557.52 ; 5862.6,1557.52 ccw(c5874.67,1557.52) v1@5866.13,1548.98 ; 5862.6,1557.52 ccw(c5874.67,1557.52) v1@5866.13,1548.98 ; 5862.6,1557.52 ccw(c5874.67,1557.52) v1@5866.13,1548.98 ; v1@5886.6,3322.45 cw(c5886.6,3310.38) 5895.13,3318.91 ; v1@5886.6,3322.45 cw(c5886.6,3310.38) 5895.13,3318.91 ; v1@5886.6,3322.45 cw(c5886.6,3310.38) 5895.13,3318.91 ; v1@5891.6,3327.45 ccw(c5903.67,3327.45) 5895.13,3318.91 ; v1@5891.6,3327.45 ccw(c5903.67,3327.45) 5895.13,3318.91 ; v1@5891.6,3327.45 ccw(c5903.67,3327.45) 5895.13,3318.91 ; v1@5909.6,1584.45 cw(c5909.6,1572.38) 5918.13,1580.91 ; v1@5909.6,1584.45 cw(c5909.6,1572.38) 5918.13,1580.91 ; v1@5909.6,1584.45 cw(c5909.6,1572.38) 5918.13,1580.91 ; v1@5911.13,1956.91 cw(c5919.67,1948.38) 5919.67,1960.45 ; v1@5911.13,1956.91 cw(c5919.67,1948.38) 5919.67,1960.45 ; v1@5911.13,1956.91 cw(c5919.67,1948.38) 5919.67,1960.45 ; v1@5911.13,1963.98 ccw(c5919.67,1972.52) 5919.67,1960.45 ; v1@5911.13,1963.98 ccw(c5919.67,1972.52) 5919.67,1960.45 ; v1@5911.13,1963.98 ccw(c5919.67,1972.52) 5919.67,1960.45 ; v1@5914.6,1589.45 ccw(c5926.67,1589.45) 5918.13,1580.91 ; v1@5914.6,1589.45 ccw(c5926.67,1589.45) 5918.13,1580.91 ; v1@5914.6,1589.45 ccw(c5926.67,1589.45) 5918.13,1580.91 ; v1@5920.6,2015.45 ccw(c5920.6,2027.52) 5929.13,2018.98 ; v1@5920.6,2015.45 ccw(c5920.6,2027.52) 5929.13,2018.98 ; v1@5920.6,2015.45 ccw(c5920.6,2027.52) 5929.13,2018.98 ; 5922.6,3291.45 cw(c5922.6,3284.91) C120.2@5928.65,3287.38 ; 5922.6,3291.45 ccw(c5922.6,3297.98) C120.2@5928.65,3295.51 ; 5922.6,3291.45 cw(c5922.6,3284.91) C120.2@5928.65,3287.38 ; 5922.6,3291.45 ccw(c5922.6,3297.98) C120.2@5928.65,3295.51 ; 5922.6,3291.45 ccw(c5922.6,3297.98) C120.2@5928.65,3295.51 ; 5922.6,3291.45 cw(c5922.6,3284.91) C120.2@5928.65,3287.38 ; v1@5925.6,2010.45 cw(c5937.67,2010.45) 5929.13,2018.98 ; v1@5925.6,2010.45 cw(c5937.67,2010.45) 5929.13,2018.98 ; v1@5925.6,2010.45 cw(c5937.67,2010.45) 5929.13,2018.98 ; Q9.1@5939.07,2674.05 cw(c5947.29,2665.83) 5947.29,2677.45 ; Q9.1@5939.07,2674.05 cw(c5947.29,2665.83) 5947.29,2677.45 ; Q9.1@5939.07,2674.05 cw(c5947.29,2665.83) 5947.29,2677.45 ; Q9.1@5939.07,2689.25 ccw(c5967.55,2717.73) 5967.55,2677.45 ; Q9.1@5939.07,2689.25 ccw(c5967.55,2717.73) 5967.55,2677.45 ; Q9.1@5939.07,2689.25 ccw(c5967.55,2717.73) 5967.55,2677.45 ; Q8.1@5939.07,2833.05 cw(c5952.12,2820) 5952.12,2838.45 ; Q8.1@5939.07,2833.05 cw(c5952.12,2820) 5952.12,2838.45 ; Q8.1@5939.07,2833.05 cw(c5952.12,2820) 5952.12,2838.45